# Altium PCB Inverter_2kW.PcbDoc (part 3 of 3)
Units mm, origin at the board's own origin, x right, y up, seen from the top; angles counter-clockwise.
Board outline 300 x 220 mm, 4 copper layers (Top Layer, Mid-Layer 1, Mid-Layer 2, Bottom Layer), stack 1.496 mm thick; 300 components, 167 nets, 848 pads, 363 vias.
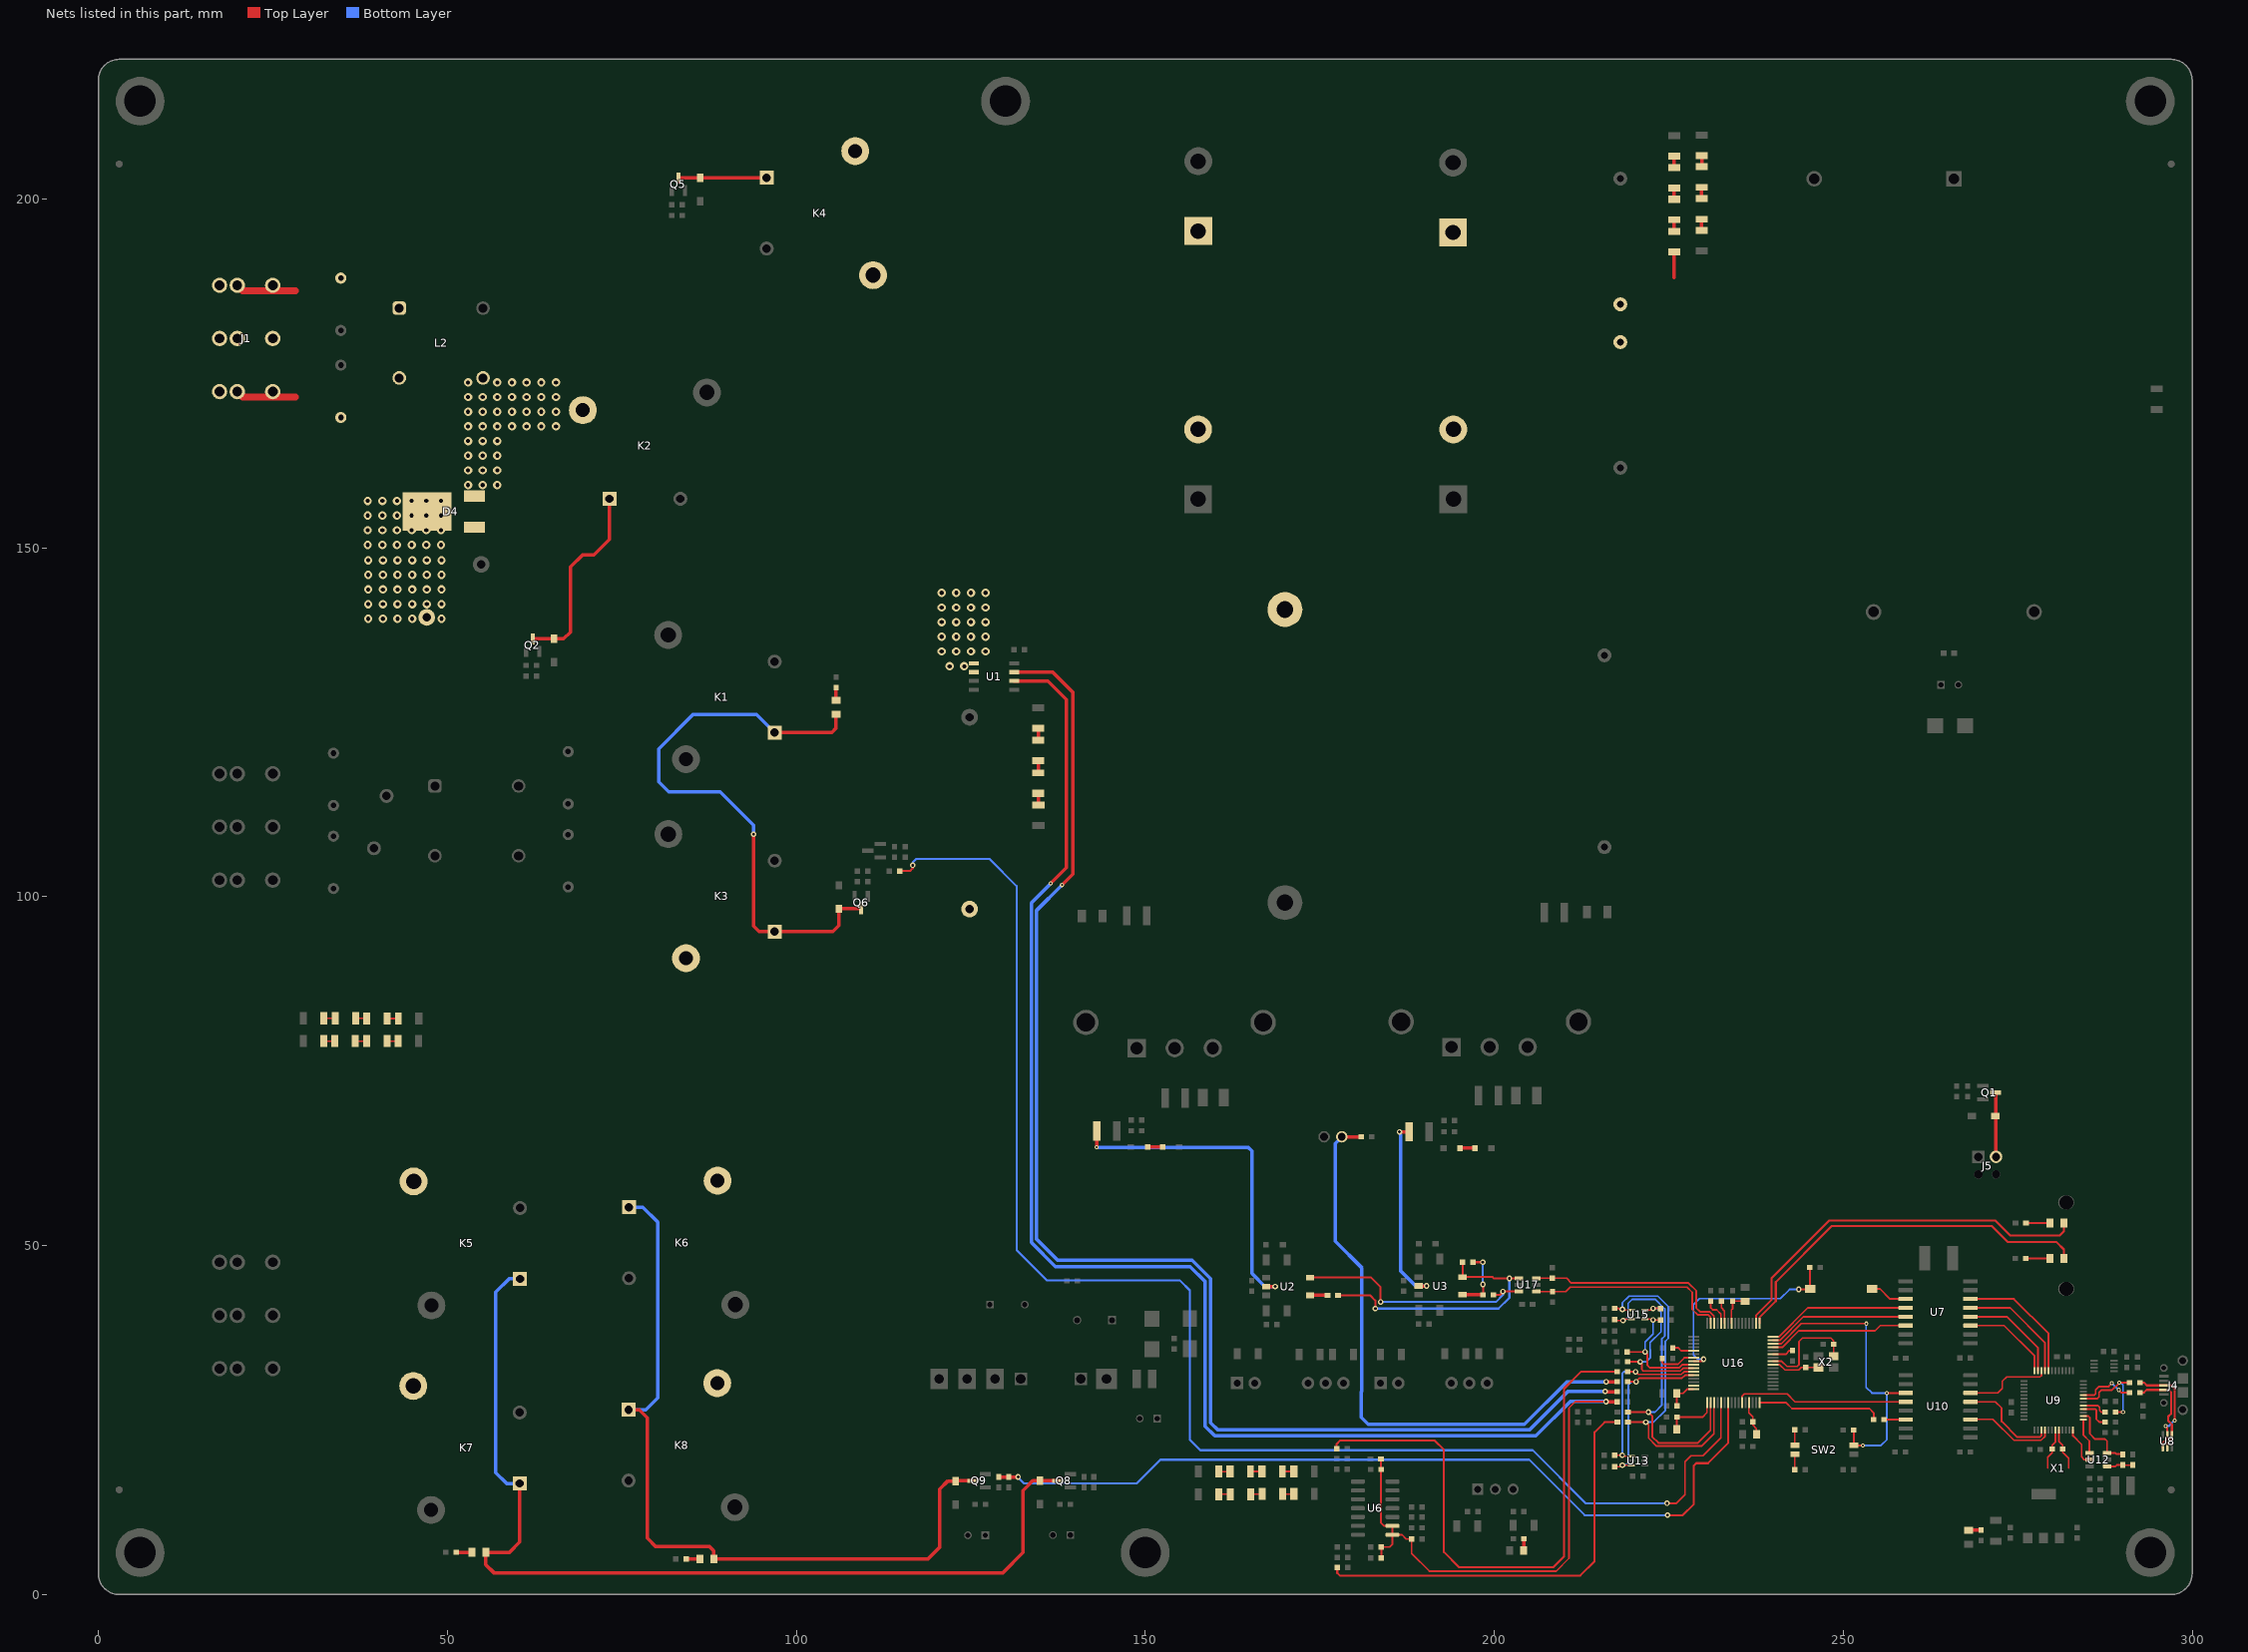
[diagram p5: the nets of this part, all layers, seen from the top]

## Via types
v1: diameter 1.2, hole 0.6, Top Layer to Bottom Layer, tented both sides, 165 vias
v2: diameter 0.8, hole 0.4, Top Layer to Bottom Layer, tented both sides, 141 vias
v3: diameter 0.6, hole 0.3, Top Layer to Bottom Layer, tented both sides, 57 vias

## Nets (pads, with @x,y where several pads share a name; then routed paths per layer and width w, separated by ;. In a path a pad name is that pad's centre, name@x,y a point inside that pad or via, vN(x,y) a via of type N, cw(c..) or ccw(c..) an arc to the next point about the centre after c; other vN are vias at no path point) (continued)
NetC76_2: C76.2 R87.2 U13.3 U16.12 | length 25.7
  Top Layer w0.254: C76.2@217.25,18.325 218.175,18.325 v2(218.375,18.525) U13.3@219.67,18.525 ; R87.2@219.125,30.5 v2(220.325,30.5) 220.85,31.025 226.925,31.025 227.325,31.425 U16.12@228.57,31.425
  Bottom Layer w0.254: v2(218.375,18.525) 218.8,18.525 219.225,18.95 219.225,30.025 219.7,30.5 v2(220.325,30.5)
NetC77_2: C77.2 R88.2 U13.1 U16.11 | length 26
  Top Layer w0.254: C77.2@217.25,19.95 v2(218.35,19.95) 218.475,19.825 U13.1@219.67,19.825 ; R88.2@219.1,31.925 v2(220.275,31.925) 220.65,31.55 226.808,31.55 227.183,31.925 U16.11@228.57,31.925
  Bottom Layer w0.254: v2(218.35,19.95) 218.35,31.7 218.575,31.925 v2(220.275,31.925)
NetC83_2: C83.2 U16.5 | length 3.2
  Top Layer w0.254: C83.2@225.6,35.275 225.7,35.375 226.35,35.375 226.8,34.925 U16.5@228.57,34.925
NetC84_2: C84.2 U16.43 | length 3
  Top Layer w0.254: U16.43@239.93,34.425 241.75,34.425 242.275,34.95 C84.2@242.75,34.95
NetC85_2: C85.2 U16.59 | length 3.4
  Top Layer w0.254: C85.2@232.55,42.05 232.55,41.1 233,40.65 U16.59@233,38.855
NetC86_2: C86.2 R89.2 U15.6 U16.10 | length 23.3
  Top Layer w0.254: R89.2@219.1,33.35 v2(220.925,33.35) 221.15,33.125 221.15,32.25 221.354,32.046 226.662,32.046 227.041,32.425 U16.10@228.57,32.425 ; U15.6@221.58,40.775 222.55,40.775 v2(222.775,41) 223.75,41 C86.2@223.825,40.925
  Bottom Layer w0.254: v2(220.925,33.35) 221.775,33.35 222.352,33.927 222.352,35.076 222.35,35.078 222.35,36.1 223.9,37.65 223.9,40.5 223.4,41 v2(222.775,41)
NetC87_2: C87.2 R91.2 U15.4 U16.9 | length 18.9
  Top Layer w0.254: R91.2@219.075,34.775 v2(221.625,34.775) 221.95,34.45 221.95,32.85 222.3,32.5 226.474,32.5 226.899,32.925 U16.9@228.57,32.925 ; U15.4@221.58,39.475 222.65,39.475 v2(222.775,39.35) 223.75,39.35 C87.2@223.825,39.275
  Bottom Layer w0.254: v2(221.625,34.775) 221.625,36.175 222.775,37.325 v2(222.775,39.35)
NetC88_2: C88.2 R92.2 U15.3 U16.18 | length 47.9
  Top Layer w0.254: C88.2@217.275,39.275 v2(218.45,39.275) 218.65,39.475 U15.3@219.67,39.475 ; R92.2@219.15,26.15 v2(222.1,26.15) 222.65,25.6 222.65,22.6 223.527,21.723 229.173,21.723 231,23.55 U16.18@231,27.495
  Bottom Layer w0.254: v2(218.45,39.275) 218.725,39.275 219.2,39.75 219.2,41.725 219.796,42.321 223.054,42.321 224.45,40.925 224.45,37.075 224,36.625 224,27.125 223.025,26.15 v2(222.1,26.15)
NetC89_2: C89.2 R93.2 U15.1 U16.19 | length 49.6
  Top Layer w0.254: C89.2@217.275,41.025 217.8,41.025 217.95,40.875 v2(218.375,40.875) 218.475,40.775 U15.1@219.67,40.775 ; R93.2@219.15,24.7 v2(221.725,24.7) 222.125,24.3 222.125,22.425 223.281,21.269 229.719,21.269 231.5,23.05 U16.19@231.5,27.495
  Bottom Layer w0.254: v2(218.375,40.875) 218.375,41.825 219.325,42.775 223.45,42.775 224.95,41.275 224.95,36.725 224.525,36.3 224.525,26.425 222.8,24.7 v2(221.725,24.7)
NetC96_2: C96.2 U16.40 X2.1 | length 7
  Top Layer w0.254: U16.40@239.93,32.925 240.925,32.925 241.675,32.175 243.625,32.175 244,32.55 C96.2@244.625,32.55 X2.1@246.45,32.55
NetC97_2: C97.2 U16.41 X2.3 | length 15
  Top Layer w0.254: U16.41@239.93,33.425 241.2,33.425 241.95,32.675 243.4,32.675 243.675,32.95 243.675,36.25 244.175,36.75 248.25,36.75 248.65,36.35 C97.2@248.65,35.875 X2.3@248.65,34.15
NetD1_A: D1.A J5.2 Q1.3 | length 9.2
  Top Layer w0.5: Q1.3@271.825,71.925 271.9,71.85 271.9,68.55 J5.2@271.9,62.725
NetD2_A: D2.A R2.1 | length 1.8
  Top Layer w0.5: D2.A@105.712,128.139 R2.1@105.712,129.989
NetD2_C: D2.C D10.A K1.1 K3.1 Q6.3 | length 84.6
  Top Layer w0.5: v2(93.9,108.95) 93.9,95.8 94.695,95.005 K3.1@96.915,95.005 105.255,95.005 106.1,95.85 D10.A@106.1,98.27 106.105,98.275 Q6.3@109.3,98.275 ; K1.1@96.9,123.535 105.085,123.535 105.712,124.162 D2.C@105.712,126.139
  Bottom Layer w0.5: v2(93.9,108.95) 93.9,110.225 89.075,115.05 81.725,115.05 80.3,116.475 80.3,121.2 85.2,126.1 94.335,126.1 K1.1@96.9,123.535
NetD3_A: D3.A K2.1 Q2.3 | length 28.2
  Top Layer w0.5: Q2.3@62.25,136.95 62.255,136.955 D3.A@65.275,136.955 66.68,136.955 67.65,137.925 67.65,147.25 69.4,149 71.025,149 73.24,151.215 K2.1@73.24,157.025
NetD4_1: D4.1 D4.4 RV2.1
  other v1: 38.675,139.825 40.775,139.825 42.875,139.825 44.975,139.825 49.175,139.825 38.675,141.925 40.775,141.925 42.875,141.925 44.975,141.925 47.075,141.925 49.175,141.925 38.675,144.025 40.775,144.025 42.875,144.025 44.975,144.025 47.075,144.025 49.175,144.025 38.675,146.125 40.775,146.125 42.875,146.125 44.975,146.125 47.075,146.125 49.175,146.125 38.675,148.225 40.775,148.225 42.875,148.225 44.975,148.225 47.075,148.225 49.175,148.225 38.6,150.425 40.7,150.425 42.8,150.425 44.9,150.425 47,150.425 49.1,150.425 38.6,152.525 40.7,152.525 42.8,152.525 44.9,152.525 47,152.525 49.1,152.525 38.6,154.625 40.7,154.625 42.8,154.625 44.9,154.625 47,154.625 49.1,154.625 38.6,156.725 40.7,156.725 42.8,156.725 44.9,156.725 47,156.725 49.1,156.725
NetD4_3: D4.3 K2.3 L2.3
  other v1: 52.975,159 55.075,159 57.175,159 52.975,161.1 55.075,161.1 57.175,161.1 52.975,163.2 55.075,163.2 57.175,163.2 52.975,165.3 55.075,165.3 57.175,165.3 52.975,167.4 55.075,167.4 57.175,167.4 59.275,167.4 61.375,167.4 63.475,167.4 65.575,167.4 52.975,169.5 55.075,169.5 57.175,169.5 59.275,169.5 61.375,169.5 63.475,169.5 65.575,169.5 52.975,171.6 55.075,171.6 57.175,171.6 59.275,171.6 61.375,171.6 63.475,171.6 65.575,171.6 52.975,173.7 57.175,173.7 59.275,173.7 61.375,173.7 63.475,173.7 65.575,173.7
NetD5_A: D5.A D6.A | length 2.3
  Top Layer w0.5: D5.A@150.273,64.116 D5.A@150.33,64.116 D6.A@152.48,64.116 D6.A@152.537,64.116
NetD7_A: D7.A D8.A | length 2.2
  Top Layer w0.5: D7.A@195.068,63.963 D7.A@195.125,63.963 D8.A@197.225,63.963 D8.A@197.282,63.963
NetD9_A: D9.A K4.1 Q5.3 | length 12.7
  Top Layer w0.5: Q5.3@83.125,203 86.25,203 95.76,203 K4.1@95.775,203
NetD11_A: D11.A D16.C K5.1 K7.1 Q8.3 | length 142.9
  Top Layer w0.5: K7.1@60.375,15.925 60.375,7.525 58.9,6.05 D16.C@55.525,6.05 55.525,4.275 56.675,3.125 129.6,3.125 132.475,6 132.475,14.9 133.88,16.305 D11.A@134.95,16.305 134.955,16.3 Q8.3@137.475,16.3
  Bottom Layer w0.5: K7.1@60.375,15.925 58.5,15.925 56.95,17.475 56.95,43.325 58.86,45.235 K5.1@60.425,45.235
NetD13_A: D13.A D17.C K6.1 K8.1 Q9.3 | length 113.6
  Top Layer w0.5: K8.1@75.975,26.49 77.535,26.49 78.675,25.35 78.675,8.075 79.9,6.85 87.6,6.85 88.175,6.275 D17.C@88.175,5.1 118.875,5.1 120.55,6.775 120.55,15.1 121.73,16.28 D13.A@122.85,16.28 122.87,16.3 Q9.3@125.3,16.3
  Bottom Layer w0.5: K8.1@75.975,26.49 78.465,26.49 80.15,28.175 80.15,53.375 78.03,55.495 K6.1@76.035,55.495
NetD16_A: D16.A R33.1 | length 2.2
  Top Layer w0.5: R33.1@51.3,6.05 D16.A@53.525,6.05
NetD17_A: D17.A R35.1 | length 1.9
  Top Layer w0.5: R35.1@84.25,5.1 D17.A@86.175,5.1
NetD20_A: D20.A R79.1 | length 1.8
  Top Layer w0.5: D20.A@267.975,9.225 R79.1@269.75,9.225
NetD21_A: D21.A R90.1 | length 1.7
  Top Layer w0.5: D21.A@204.225,6.3 R90.1@204.225,8.025
NetD22_A: D22.A R96.1 | length 3.4
  Top Layer w0.3: R96.1@276.2,53.25 276.225,53.225 D22.A@279.625,53.225
NetD22_C: D22.C U16.50 | length 55
  Top Layer w0.3: U16.50@237.5,38.855 237.5,40 239.75,42.25 239.75,45.375 247.975,53.6 271.775,53.6 273.925,51.45 281.025,51.45 281.625,52.05 D22.C@281.625,53.225
NetD23_A: D23.A R97.1 | length 3.5
  Top Layer w0.3: R97.1@276.175,48.15 D23.A@279.625,48.15
NetD23_C: D23.C U16.49 | length 54.2
  Top Layer w0.3: U16.49@238,38.855 238,39.7 240.35,42.05 240.35,44.775 248.375,52.8 271.325,52.8 273.625,50.5 280.575,50.5 281.625,49.45 D23.C@281.625,48.15
NetJ1_1: C21.2 J1.1 L2.1 | length 7.6
  Top Layer w1: J1.1@20.65,186.82 28.27,186.82
NetJ1_3: C22.2 J1.3 L2.2 | length 7.6
  Top Layer w1: J1.3@20.65,171.58 28.27,171.58
NetJ4_2: J4.2 R75.2 U8.2 U8.4 | length 13.4
  Top Layer w0.3: R75.2@292.525,28.875 292.6,28.95 293.1,28.95 293.475,29.325 J4.2@295.95,29.325 296.67,29.325 296.975,29.02 296.975,25.9 296.575,25.5 296.575,24.9 297.1,24.375 U8.4@297.1,22.95 297.1,22.325 296.45,21.675 U8.2@296.45,21.04
NetJ4_3: J4.3 R76.2 U8.1 U8.5 | length 15
  Top Layer w0.3: R76.2@292.5,30.3 292.575,30.375 293.1,30.375 293.5,29.975 J4.3@295.95,29.975 296.975,29.975 297.475,29.475 v3@297.475,24.975 ; U8.1@295.8,21.04 295.8,21.732 296.45,22.382 U8.5@296.45,22.95 296.45,23.9 v3(296.2,24.15)
  Bottom Layer w0.3: v3(296.2,24.15) 296.675,24.15 v3(297.475,24.95)
NetK5_4: K5.4 K6.3
NetK7_4: K7.4 K8.3
NetL3_2: L3.2 U1.1 U1.2
  other v1: 121.975,133.025 124.075,133.025 120.825,135.15 122.925,135.15 125.025,135.15 127.125,135.15 120.825,137.25 122.925,137.25 125.025,137.25 127.125,137.25 120.825,139.35 122.925,139.35 125.025,139.35 127.125,139.35 120.825,141.45 122.925,141.45 125.025,141.45 127.125,141.45 120.825,143.55 122.925,143.55 125.025,143.55 127.125,143.55
NetR3_1: R3.1 R5.2 | length 1.5
  Top Layer w0.5: R5.2@134.675,122.43 R3.1@134.675,123.975
NetR5_1: R5.1 R7.2 | length 1.5
  Top Layer w0.5: R7.2@134.675,117.755 R5.1@134.675,119.3
NetR7_1: R7.1 R8.2 | length 1.5
  Top Layer w0.5: R8.2@134.7,113.13 R7.1@134.7,114.675
NetR10_2: R10.2 U2.5 | length 47.8
  Top Layer w0.5: R10.2@143.038,66.45 143.05,66.438 v3(143.05,64.1) ; U2.5@167.325,44.15 v2(168.625,44.15)
  Bottom Layer w0.5: v3(143.05,64.1) 164.75,64.1 165.3,63.55 165.3,46.025 167.175,44.15 v2(168.625,44.15)
NetR17_2: R17.2 U3.5 | length 26.8
  Top Layer w0.5: v2(186.425,66.3) 187.67,66.3 187.72,66.35 R17.2@187.745,66.325 ; U3.5@189.175,44.225 v2(190.325,44.225)
  Bottom Layer w0.5: v2(186.425,66.3) v2@186.6,66.125 ; 186.6,65.85 186.6,46.375 188.75,44.225 v2(190.325,44.225)
NetR20_2: R20.2 R23.1 R87.1 | length 84.7
  Top Layer w0.5: R23.1@178.17,65.6 R20.2@180.975,65.6 ; v2(216.05,30.5) R87.1@217.625,30.5
  Bottom Layer w0.5: R23.1@178.17,65.6 177.225,64.655 177.225,50.625 181.05,46.8 181.05,29.202 180.925,29.077 180.925,25.4 181.95,24.375 204.325,24.375 210.45,30.5 v2(216.05,30.5)
NetR21_1: R21.1 U16.21 | length 211.9
  Top Layer w0.254: v2(224.775,13.075) 226.1,13.075 227.35,14.325 227.35,19.05 228.2,19.9 229.925,19.9 232.5,22.475 U16.21@232.5,27.495
  Top Layer w0.3: R21.1@114.825,103.675 116.3,103.675 116.7,104.075 v2(116.7,104.5)
  Bottom Layer w0.3: v2(116.7,104.5) 116.7,104.925 117.2,105.425 127.675,105.425 131.575,101.525 131.575,49.375 135.95,45 154.979,45 156.4,43.579 156.4,22.175 157.9,20.675 205.525,20.675 213.125,13.075 v2(224.775,13.075)
NetR26_1: R26.1 R37.1 U3.3 U17.4 | length 39.7
  Top Layer w0.3: R26.1@177.625,42.875 182.225,42.875 182.975,42.125 v2(182.975,40.975) ; R37.1@195.475,47.625 U3.3@195.475,45.495 199.755,45.495 199.925,45.325 U17.4@203.545,45.325
  Bottom Layer w0.3: v2(182.975,40.975) 200.625,40.975 202.175,42.525 v2(202.175,45.3)
NetR26_2: R26.2 U2.1 | length 2.5
  Top Layer w0.5: U2.1@173.625,42.88 176.12,42.88 R26.2@176.125,42.875
NetR32_1: R32.1 R34.2 U16.23 | length 122.9
  Top Layer w0.3: v2(224.85,11.375) 227.025,11.375 228.6,12.95 228.6,18.475 228.95,18.825 230.625,18.825 233.5,21.7 U16.23@233.5,27.495
  Top Layer w0.5: R32.1@129.025,16.85 R34.2@130.45,16.85 v2(131.8,16.85)
  Bottom Layer w0.3: v2(131.8,16.85) 131.8,16.75 132.625,15.925 ; 132.625,15.9 148.75,15.9 152.175,19.325 205.025,19.325 212.975,11.375 v2(224.85,11.375)
NetR36_1: R36.1 U2.3 U17.6 | length 35.1
  Top Layer w0.3: U2.3@173.625,45.42 182.355,45.42 183.725,44.05 v2(183.725,41.925) ; R36.1@199.9,42.95 200.825,42.95 201.3,43.425 U17.6@203.545,43.425
  Bottom Layer w0.3: v2(183.725,41.925) 200.225,41.925 201.25,42.95 v2(201.25,43.425)
NetR36_2: R36.2 R37.2 U3.1 | length 9
  Top Layer w0.3: R37.2@196.975,47.625 v2(198.375,47.625) ; R36.2@198.4,42.95 v2(198.4,44.45)
  Top Layer w0.5: U3.1@195.475,42.955 195.48,42.95 R36.2@198.4,42.95
  Bottom Layer w0.3: v2(198.375,47.625) 198.375,44.475 v2(198.4,44.45)
NetR41_1: R41.1 R42.2 | length 1.6
  Top Layer w0.5: R41.1@229.725,195.48 R42.2@229.725,197.095
NetR42_1: R42.1 R43.2 | length 1.7
  Top Layer w0.5: R42.1@229.725,200.03 229.725,201.645 R43.2@229.75,201.67
NetR43_1: R43.1 R44.2 | length 1.6
  Top Layer w0.5: R43.1@229.75,204.605 R44.2@229.75,206.22
NetR45_2: R45.2 R46.1 | length 1.7
  Top Layer w0.254: R45.2@160.555,14.35 160.58,14.375 R46.1@162.195,14.375
NetR46_2: R46.2 R47.1 | length 1.6
  Top Layer w0.254: R46.2@165.13,14.375 165.155,14.4 R47.1@166.745,14.4
NetR47_2: R47.2 R48.1 | length 1.6
  Top Layer w0.254: R47.2@169.68,14.4 R48.1@171.295,14.4
NetR49_2: R49.2 R50.1 | length 1.6
  Top Layer w0.254: R50.1@41.375,79.3 R49.2@42.97,79.3
NetR50_2: R50.2 R51.1 | length 1.6
  Top Layer w0.254: R51.1@36.83,79.3 R50.2@38.44,79.3
NetR51_2: R51.2 R52.1 | length 1.6
  Top Layer w0.254: R52.1@32.305,79.3 R51.2@33.895,79.3
NetR53_2: R53.2 R88.1 | length 82.8
  Top Layer w0.3: R53.2@177.425,20.9 177.425,21.575 177.95,22.1 191.425,22.1 192.8,20.725 192.8,6.075 194.95,3.925 208.475,3.925 210,5.45 210,29.5 212.425,31.925 R88.1@217.55,31.925
NetR54_2: R54.2 R93.1 | length 61
  Top Layer w0.3: R54.2@177.525,3.875 177.525,3.1 177.9,2.725 212.325,2.725 214.375,4.775 214.375,23.25 215.825,24.7 R93.1@217.65,24.7
  Top Layer w0.5: R93.1@217.625,24.725 R93.1@217.65,24.7
NetR56_2: R56.2 R57.1 | length 1.6
  Top Layer w0.254: R56.2@160.53,17.62 R57.1@162.145,17.62
NetR57_2: R57.2 R58.1 | length 1.7
  Top Layer w0.254: R57.2@165.08,17.62 165.105,17.645 R58.1@166.72,17.645
NetR58_2: R58.2 R59.1 | length 1.6
  Top Layer w0.254: R58.2@169.655,17.645 R59.1@171.295,17.645
NetR60_2: R60.2 R61.1 | length 1.6
  Top Layer w0.254: R61.1@41.4,82.55 R60.2@42.995,82.55
NetR61_2: R61.2 R62.1 | length 1.6
  Top Layer w0.254: R62.1@36.88,82.575 38.44,82.575 R61.2@38.465,82.55
NetR62_2: R62.2 R63.1 | length 1.6
  Top Layer w0.254: R63.1@32.33,82.575 R62.2@33.945,82.575
NetR66_1: R66.1 R67.2 | length 1.7
  Top Layer w0.5: R66.1@225.8,195.36 R67.2@225.8,197.02
NetR67_1: R67.1 R68.2 | length 1.6
  Top Layer w0.5: R67.1@225.8,199.955 R68.2@225.8,201.57
NetR68_1: R68.1 R69.2 | length 1.6
  Top Layer w0.5: R69.2@225.775,206.12 225.775,204.53 R68.1@225.8,204.505
NetR75_1: R75.1 U9.8 | length 8.2
  Top Layer w0.254: U9.8@284.425,28.575 285.975,28.575 286.175,28.775 286.175,29.3 286.675,29.8 288.05,29.8 288.475,30.225 v3(288.475,30.275) ; v3(289.475,29.325) 289.875,28.925 R75.1@291.025,28.925
  Bottom Layer w0.254: v3(288.475,30.275) 288.525,30.275 v3(289.475,29.325)
NetR76_1: R76.1 R77.1 U9.7 | length 13.5
  Top Layer w0.254: U9.7@284.425,28.075 286.4,28.075 286.675,28.35 286.675,28.975 287,29.3 288.525,29.3 v3(289.575,30.35) R76.1@291.025,30.35 ; R77.1@289.05,26.15 v3(290.102,26.15)
  Bottom Layer w0.254: v3(289.575,30.35) 289.8,30.35 290.102,30.048 v3(290.102,26.15)
NetR77_2: R77.2 U9.5 | length 3.8
  Top Layer w0.254: U9.5@284.425,27.075 286.5,27.075 286.725,26.85 286.725,26.375 286.95,26.15 R77.2@287.55,26.15
NetR78_1: R78.1 U10.14 | length 3.1
  Top Layer w0.254: R78.1@255.875,25.075 255.88,25.08 U10.14@258.97,25.08
NetR80_1: R80.1 U9.44 X1.3 | length 6
  Top Layer w0.254: U9.44@280.925,23.575 280.925,21.9 281.45,21.375 R80.1@281.45,20.85 281.45,20.375 282.3,19.525 X1.3@282.3,18.1
NetR80_2: R80.2 U9.43 X1.1 | length 5.9
  Top Layer w0.254: X1.1@279.3,18.1 279.3,19.65 279.95,20.3 R80.2@279.95,20.85 279.95,21.4 280.425,21.875 U9.43@280.425,23.575
NetR81_2: R81.2 U9.4 | length 4.7
  Top Layer w0.254: U9.4@284.425,26.575 286.125,26.575 286.271,26.429 286.271,25.129 286.675,24.725 R81.2@287.55,24.725
NetR82_1: R82.1 R84.2 U12.1 | length 3.8
  Top Layer w0.254: U12.1@287.83,18.375 289,18.375 289.2,18.575 R82.1@290.075,18.575 ; R82.1@290.075,18.55 R84.2@291.5,18.55
NetR82_2: R82.2 U9.2 U12.3 | length 10.3
  Top Layer w0.254: U9.2@284.425,25.575 285.125,25.575 285.35,25.35 285.35,23.025 286.1,22.275 287.525,22.275 287.8,22 287.8,20.41 U12.3@287.883,20.328 ; U12.3@287.83,20.275 289,20.275 289.15,20.125 290,20.125 R82.2@290.075,20.05
NetR86_1: R86.1 U1.7 | length 199
  Top Layer w0.5: U1.7@131.225,132.185 136.74,132.185 139.625,129.3 139.625,103.225 v3(138.075,101.675) ; v2(215.9,29.1) 215.925,29.075 R86.1@217.625,29.075 R86.1@217.6,29.1
  Bottom Layer w0.5: v3(138.075,101.675) 134.45,98.05 134.45,50.925 137.45,47.925 156.7,47.925 159.375,45.25 159.375,24.625 160.425,23.575 205.05,23.575 210.575,29.1 v2(215.9,29.1)
NetR94_2: R94.2 U16.7 | length 5.6
  Top Layer w0.254: R94.2@224.075,33.825 224.075,33.225 224.3,33 226.3,33 227.225,33.925 U16.7@228.57,33.925
NetR95_2: R95.2 U16.60 | length 4.1
  Top Layer w0.254: R95.2@231.025,42.05 231.025,41.1 231.325,40.8 231.875,40.8 232.5,40.175 U16.60@232.5,38.855
NetR100_1: R100.1 SW2.2 | length 2.2
  Top Layer w0.254: R100.1@243.075,17.875 243.08,17.88 SW2.2@243.08,20.115
NetR101_1: R101.1 SW2.4 | length 2.2
  Top Layer w0.254: R101.1@243.075,23.625 243.075,21.39 SW2.4@243.08,21.385
NetR102_2: R102.2 U16.62 U17.3 | length 31.7
  Top Layer w0.254: U17.3@206.055,45.325 R102.2@208.325,45.325 ; 206.825,45.325 R102.2@208.325,45.325 ; U16.62@231.5,38.855 231.5,39.892 230.863,40.529 229.496,40.529 228.95,41.075 228.95,43.525 227.825,44.65 211.05,44.65 210.375,45.325 R102.2@208.325,45.325
NetR103_2: R103.2 U16.63 U17.1 | length 29.3
  Top Layer w0.254: U17.1@206.055,43.425 R103.2@208.35,43.425 210.25,43.425 210.875,44.05 227.625,44.05 228.375,43.3 228.375,40.875 229.175,40.075 230.675,40.075 231,39.75 U16.63@231,38.855
NetSW1_1: SW1.1 U7.11 | length 5.4
  Top Layer w0.254: SW1.1@254.15,43.8 255.275,43.8 256.72,42.355 U7.11@258.96,42.355
NetU9_1: U9.1 U12.4 | length 5.5
  Top Layer w0.254: U9.1@284.425,25.075 284.425,22.85 285.275,22 285.275,20.425 U12.4@285.6,20.1
NetU9_48: U9.48 U12.5 | length 5.7
  Top Layer w0.254: U9.48@282.925,23.575 282.925,22.725 284.15,21.5 284.15,19.725 284.55,19.325 U12.5@285.32,19.325
PEN: J1.2 K4.3
RX_ISO: U9.39 U10.5 | length 14.3
  Top Layer w0.254: U10.5@268.25,27.62 271.805,27.62 272.7,26.725 272.7,24.8 274.946,22.554 278.145,22.554 278.425,22.834 U9.39@278.425,23.575
Rx_slave: R78.2 U16.32 | length 17.9
  Top Layer w0.254: U16.32@238,27.495 241.83,27.495 242.675,26.65 253.775,26.65 254.375,26.05 R78.2@254.375,25.075
TCK: U7.14 U16.45 | length 20.3
  Top Layer w0.254: U16.45@239.93,35.425 241.275,35.425 243.65,37.8 254.575,37.8 255.32,38.545 U7.14@258.96,38.545
TCK_ISO: U7.3 U9.24 | length 13.1
  Top Layer w0.254: U7.3@268.24,38.545 273.055,38.545 277.425,34.175 U9.24@277.425,32.075
TDI: U7.13 U16.47 | length 20.4
  Top Layer w0.254: U16.47@239.93,36.425 240.925,36.425 244.315,39.815 U7.13@258.96,39.815
TDI_ISO: U7.4 U9.23 | length 14.8
  Top Layer w0.254: U7.4@268.24,39.815 273.46,39.815 277.925,35.35 U9.23@277.925,32.075
TDO: R99.1 SW2.3 U10.11 U16.46 | length 43.7
  Top Layer w0.254: U16.46@239.93,35.925 241.1,35.925 244,38.825 v3(253.3,38.825) ; R99.1@251.525,23.575 251.525,21.39 SW2.3@251.52,21.385 251.53,21.375 v3(252.8,21.375) ; v3(256.25,28.875) 258.955,28.875 U10.11@258.97,28.89
  Bottom Layer w0.254: v3(252.8,21.375) 255.425,21.375 256.25,22.2 v3(256.25,28.875) 254.125,28.875 253.3,29.7 v3(253.3,38.825)
TDO_ISO: U9.22 U10.6 | length 12.5
  Top Layer w0.254: U10.6@268.25,28.89 272.14,28.89 272.8,29.55 272.8,30.575 273.425,31.2 278.2,31.2 278.425,31.425 U9.22@278.425,32.075
TMS: U7.12 U16.48 | length 20.8
  Top Layer w0.254: U16.48@239.93,36.925 240.775,36.925 244.935,41.085 U7.12@258.96,41.085
TMS_ISO: U7.5 U9.21 | length 16.8
  Top Layer w0.254: U7.5@268.24,41.085 273.915,41.085 278.925,36.075 U9.21@278.925,32.075
TRSTn: R74.2 SW1.2 U16.8 | length 31.2
  Top Layer w0.254: U16.8@228.57,33.425 229.7,33.425 v2(230,33.725) ; v2(243.625,43.725) 245.175,43.725 SW1.2@245.25,43.8 245.225,43.825 R74.2@245.225,46.875
  Bottom Layer w0.254: v2(230,33.725) 229.15,33.725 228.55,34.325 228.55,41.525 229.425,42.4 241,42.4 242.325,43.725 v2(243.625,43.725)
TRSTn_ISO: U7.6 U9.20 | length 18.6
  Top Layer w0.254: U7.6@268.24,42.355 274.47,42.355 279.425,37.4 U9.20@279.425,32.075
TX_ISO: U9.40 U10.3 | length 12.8
  Top Layer w0.254: U10.3@268.545,25.05 268.62,25.125 271.45,25.125 274.475,22.1 278.333,22.1 278.925,22.692 U9.40@278.925,23.575
Tx_slave: U10.12 U16.27 | length 25
  Top Layer w0.254: U16.27@235.5,27.495 235.5,28.425 235.825,28.75 241.975,28.75 243.105,27.62 U10.12@258.97,27.62
V_Mid: C4.1 C5.2 C6.2 C17.1 C18.1 K3.3 K4.4 R13.1 R18.2 R66.2 | length 3.7
  Top Layer w0.5: 225.8,188.75 R66.2@225.8,192.425
VDD_ADC: C91.2 FB3.1 U16.16 | length 4.4
  Top Layer w0.254: C91.2@226.175,27.05 FB3.1@226.175,28.825 227.025,28.825 227.625,29.425 U16.16@228.57,29.425
VDDIO_1: C93.2 FB1.1 U16.29 | length 5
  Top Layer w0.254: U16.29@236.5,27.495 236.5,26.025 237.05,25.475 C93.2@237.05,24.75 237.05,24.3 237.575,23.775 FB1.1@237.575,22.975
VDDIO_2: C92.2 FB2.1 U16.57 | length 4.8
  Top Layer w0.254: U16.57@234,38.855 234,40.8 234.15,40.95 C92.2@234.15,41.775 ; C92.2@234.15,42.05 FB2.1@235.95,42.05
VLA_REF_1: C47.2 C48.2 C54.2 R39.2 R40.2 R85.1 U1.6 U6.8 U6.9 | length 271.7
  Top Layer w0.254: R39.2@183.775,19.425 183.782,19.418 C47.2@183.782,17.914 183.782,10.268 184.215,9.835 U6.9@185.425,9.835 U6.8@185.425,8.565 ; R40.2@183.825,5.25 C48.2@183.825,6.826 185.001,6.826 185.425,7.25 U6.8@185.425,8.565 ; v2(216.025,27.65) 211.625,27.65 210.725,26.75 210.725,5.2 208.875,3.35 190.725,3.35 188.175,5.9 C54.2@188.175,7.95 187.4,7.95 186.785,8.565 U6.8@185.425,8.565
  Top Layer w0.5: U1.6@131.225,130.915 136.035,130.915 138.7,128.25 138.7,104.15 136.475,101.925 v3(136.475,101.9) ; v2(216.025,27.65) 216.05,27.625 R85.1@217.625,27.625 R85.1@217.6,27.6
  Bottom Layer w0.5: v3(136.475,101.9) 136.45,101.9 133.675,99.125 133.675,50.45 137.125,47 156.45,47 158.575,44.875 158.575,24.125 159.975,22.725 205.95,22.725 210.875,27.65 v2(216.025,27.65)
VREF_HI: U16.15
VSS_ADC: C95.2 FB4.1 U16.17 | length 7.7
  Top Layer w0.254: FB4.1@226.175,23.675 C95.2@226.175,25.425 229.825,25.425 230.48,26.08 230.48,27.475 U16.17@230.5,27.495
pads on no net: J4.4 J5.0 LED_PIPE1.0 M1.1 M2.1 M3.1 M4.1 M5.1 M6.1 M7.1 M8.1 MH4.0 MH5.0 MH6.0 U6.12 U6.13 U6.14 U7.7 U9.13 U9.15 U9.16 U9.17 U9.19 U9.27 U9.28 U9.29 U9.30 U9.32 U9.33 U9.35 U9.36 U9.37 U9.38 U9.41 U10.4 U10.13 U14.3 U16.1 U16.2 U16.3 U16.4 U16.24 U16.25 U16.26 U16.30 U16.31 U16.33 U16.34 U16.35 U16.36 U16.37 U16.38 U16.39 U16.44 U16.53 U16.54 U16.55 U16.56 U16.61 U16.64

## Polygon pours and split planes (outlines as drawn)
GND on Mid-Layer 2 "Top Layer-No Net" (solid, remove dead copper, pour order 0): 275.675,51.875 276.525,51.025 276.525,46.425 278.3,44.65 298.475,44.65 299.975,46.15 299.925,46.2 299.925,161.95 295.975,165.9 245.9,165.9 239.75,159.75 239.75,51.875 235.65,47.775 203.45,47.775 202.175,46.5 202.175,38.15 200.9,36.875 196.45,36.875 159.875,36.875 158.625,38.125 158.625,43.3 156.55,45.375 121.8,45.375 117.75,41.325 117.75,3.125 120.7,0.175 258.825,0.175 261.5,2.85 261.5,50.4 262.975,51.875
GND_USB on Mid-Layer 2 "Top Layer-No Net" (solid, remove dead copper, pour order 2): 273.8,46.975 274.375,46.4 274.375,44.025 277.3,41.1 298.375,41.1 299.725,39.75 299.725,3.575 296.4,0.25 269.3,0.25 266.1,3.45 266.1,46.171 266.904,46.975
3V3_ISO on Mid-Layer 1 "Top Layer-No Net" (solid, remove dead copper, pour order 4): 299.725,39.275 299.725,39.775 298.4,41.1 277.305,41.1 274.375,44.03 274.375,46.404 273.804,46.95 266.875,46.95 266.125,46.2 266.125,3.425 269.3,0.25 296.4,0.25 299.725,3.575
+3.3V on Mid-Layer 1 "Top Layer-No Net" (solid, remove dead copper, pour order 6): 275.675,51.875 276.525,51.025 276.525,46.425 278.3,44.65 298.45,44.65 299.946,46.146 299.925,53.95 299.925,162 296.025,165.9 245.9,165.9 239.75,159.75 239.75,51.875 235.65,47.775 203.45,47.775 202.175,46.5 202.175,38.15 200.9,36.875 196.45,36.875 159.875,36.875 158.625,38.125 158.625,43.3 156.55,45.375 121.8,45.375 117.75,41.325 117.75,3.125 120.7,0.175 258.825,0.175 261.5,2.85 261.5,50.45 262.925,51.875
-HV on Bottom Layer "Top Layer-No Net" (solid, remove dead copper, pour order 8): 51.6,180.425 55.6,176.425 127.7,176.425 130.2,173.925 130.2,58.95 135.925,53.275 227.975,53.275 236.3,61.6 236.3,166.65 241.775,172.125 296.1,172.125 299.65,175.675 299.65,214.45 294.25,219.85 55.25,219.85 51.6,216.2
Earth on Bottom Layer "Top Layer-No Net" (solid, remove dead copper, pour order 10): 69.5,99.2 67.725,97.425 34.175,97.425 31.025,94.275 31.025,2.715 28.38,-0.031 4.056,-0.031 0.994,3.031 0.994,213.916 6.394,219.316 40.834,219.316 46.75,213.4 46.75,162.85 43.775,159.875 34.625,159.875 29.819,155.069 29.819,129.168 33.644,125.343 68.107,125.343 69.5,123.95

## Keep-outs
Keep-Out Layer:
  the board outline again, w0.152

## Other copper
Top Layer:
  region net ACL_OUT: 48.7,125.675 50.1,124.275 50.1,114.25 48.925,113.075 37.65,113.075 35.35,115.375 16.425,115.375 15.3,116.5 15.3,124.225 16.75,125.675
  region net ACN_OUT: 35.45,105.9 38.025,108.475 48.425,108.475 49.825,107.075 49.825,99 48,97.175 16.95,97.175 15.275,98.85 15.275,105.825 16.625,107.175 31.8,107.175 33.075,105.9
  region net NetJ1_1: 45.025,182 46.625,183.6 46.625,194.275 45.073,195.85 17.7,195.85 15.5,193.65 15.5,185.9 17.225,184.175 32.2,184.175 33.15,185.125 36.65,185.125 39.776,182
  region net NetJ1_3: 16.725,174.3 15.675,173.25 15.675,165.103 16.836,163.925 45.25,163.925 46.45,165.125 46.45,174.5 45,175.95 40.725,175.95 37.75,172.975 32.3,172.975 30.975,174.3
  region net PEN: 26.75,182.625 27.625,181.75 27.625,176.725 26.888,176 11.433,176 5.5,181.825 5.5,202.625 17.975,215.1 119.475,215.1 122.75,211.825 122.75,205.325 121.625,204.2 103.875,204.2 100.35,207.725 22.575,207.725 13.975,199.125 13.975,184.05 15.4,182.625
  region net NetD4_3: 51.875,156.325 52.2,156 57.275,156 58.3,157.025 58.3,165.125 59.775,166.6 64.279,166.6 72.425,166.6 74.175,168.35 74.175,172.7 72.138,174.737 61.538,174.737 59.425,176.85 54.05,176.85 51.875,174.675
  region net -HV: 106.025,182.55 104.201,180.726 54,180.725 51.65,183.075 51.65,193.25 54.9,196.5 76.425,196.5 83.675,189.25 96.5,189.25 98.425,191.175 98.425,200.575 100.4,202.55 131.25,202.55 142.2,213.5 216.15,213.5 221.25,208.4 221.25,198.7 219.475,196.925 210.425,196.925 204.8,202.55 145.275,202.55 136.625,193.9 107.65,193.9 106.025,192.275
  region net NetD4_1: 51.25,155.425 51.75,154.925 55.425,154.925 56.125,154.225 56.125,152.1 55.55,151.525 51.127,151.525 49.975,150.452 49.975,139.2 48.75,137.975 39.225,137.975 37.925,139.275 37.925,157.625 38.5,158.2 50.6,158.2 51.25,157.55
  region net +HV: 65.475,157 65.475,146.45 64.1,145.075 52.85,145.075 52.225,145.7 52.225,149.225 52.95,149.95 57.65,149.95 59.725,152.025 59.725,163.45 61.275,165 73.95,165 76.35,167.4 76.35,173.35 79.275,176.275 91.974,176.275 94.9,173.35 129.4,173.35 143,159.75 207.65,159.75 213.2,165.3 218.7,165.3 221.25,162.75 221.25,120.65 212.825,112.225 162.85,112.225 156.2,105.575 156.2,77.05 154.975,75.825 152.8,75.825 151.7,76.925 151.7,117.25 157.025,122.575 204.55,122.575 208.55,126.575 208.55,143.4 204.625,147.325 96.85,147.325 95.025,149.15 95.025,156.925 92.201,159.749 68.224,159.749
  region net V_Mid: 132.025,61.5 127.65,65.875 127.65,99.5 125.975,101.175 115.45,101.175 114.1,99.825 114.1,92.3 112.775,90.975 93.625,90.975 89.5,95.1 81.375,95.1 79.175,92.9 79.175,86.5 80.375,85.3 111.05,85.3 116.9,79.45 116.9,59.574 122.874,53.6 228.3,53.6 236.2,61.5 236.2,184.15 230.875,189.475 213.2,189.475 204.35,198.325 145.6,198.325 139.3,192.025 109.65,192.025 108.3,190.675 108.3,178.375 109.875,176.8 131.62,176.8 144.67,163.75 204.25,163.75 211.5,171 219.1,171 224.35,165.75 224.349,67.149 218.7,61.5
  region net NetC16_2: 66.275,118.15 72.625,118.15 84.975,130.5 84.975,138.75 83.175,140.55 74.575,140.55 71.775,137.75 71.775,129.225 69.275,126.725 59.575,126.725 58.125,125.275 58.125,115.575 59.55,114.15 62.275,114.15
  region net NetC15_2: 70.762,103.637 78.5,111.375 86.05,111.375 87.875,109.55 87.875,98.95 86.175,97.25 59.65,97.25 58.65,98.25 58.65,106.625 59.837,107.812 64.138,107.812 68.313,103.637
  region net MIDV: 198.05,104.95 201.95,101.05 201.95,77.375 201.1,76.525 198.15,76.525 197.325,77.35 197.325,94.6 196.1,95.825 163.175,95.825 162.299,94.95 162.299,77.174 161.412,76.287 158.538,76.287 157.725,77.1 157.725,100.375 162.3,104.95
  region net ACN_IN: 30.05,33.3 30.05,21.6 32.075,19.575 48.575,19.575 50.825,17.325 50.825,10.9 48.325,8.4 22.625,8.4 15.075,15.95 15.075,33.475 16.325,34.725 28.625,34.725
  region net NetK5_4: 89.925,68 92.35,65.575 92.35,57.075 91.075,55.8 84.025,55.8 81.225,58.6 50.775,58.6 47.975,55.8 41.1,55.8 37.8,59.1 37.8,66.1 39.7,68
  region net NetK7_4: 91.287,36.501 93.262,34.525 93.263,27.375 90.638,24.75 84.938,24.75 80.563,29.125 53.263,29.125 48.888,24.75 42.013,24.75 38.713,28.05 38.713,35.05 40.163,36.5
  region net NetL3_2: 128.8,138.1 127.95,137.25 127.95,132.375 127.45,131.875 121.3,131.875 120.125,133.05 120.125,144.03 121.237,145.1 180.425,145.1 182.25,143.275 182.25,135.772 177.146,130.9 151.3,130.9 144.1,138.1
  region net NetC4_2: 120.3,130.225 120.3,122.3 119,121 93.3,121 90.7,123.6 83.925,123.6 81.6,121.275 81.6,115.925 83,114.525 124.9,114.525 128,117.625 128,130.7 127.45,131.25 121.325,131.25
  region net ACL_IN: 29.125,45.4 36.175,38.35 50.4,38.35 52.125,40.075 52.125,49.05 49.35,51.825 42.54,51.825 34.329,60.075 16.325,60.075 15.225,58.975 15.225,46.775 16.6,45.4
  region net NetC15_2: 104.7,72.725 99.325,78.1 74.375,78.1 71.225,81.25 71.225,104.325 78.35,111.45 86.025,111.45 87.975,109.5 87.975,98.925 86.325,97.275 79.65,97.275 77.8,95.425 77.8,85.2 79.025,83.975 109.875,83.975 114.753,79.097 114.753,15.078 109.5,9.825 88.35,9.825 86.4,11.775 86.4,17.75 89,20.35 102.275,20.35 104.7,22.775
  region net NetC16_2: 88.1,44.75 89.25,45.9 92.075,45.9 93.925,47.75 93.925,66.45 90.75,69.625 53.15,69.625 51.4,71.375 51.4,122.235 55.894,126.775 69.4,126.775 71.75,129.125 71.75,137.7 74.6,140.55 83.25,140.55 84.975,138.825 84.975,130.55 72.593,118.168 66.175,118.15 56.925,108.9 56.925,78.226 59.026,76.125 97.511,76.125 102.5,71.136 102.5,40.475 99.986,37.961 89.947,38.053 88.1,39.9
  region net -HV: 204.175,94.55 203.488,93.863 203.487,77.709 204.789,76.388 207.538,76.388 208.474,77.324 208.476,93.899 207.825,94.55
Mid-Layer 1:
  region net MIDV: 198.05,104.95 201.95,101.05 201.95,77.375 201.1,76.525 198.15,76.525 197.325,77.35 197.325,94.6 196.1,95.825 163.175,95.825 162.3,94.95 162.299,77.174 161.412,76.287 158.538,76.287 157.725,77.1 157.725,100.375 162.3,104.95
  region net +HV: 65.475,157 65.475,146.45 64.1,145.075 52.85,145.075 52.225,145.7 52.225,149.225 52.95,149.95 57.65,149.95 59.725,152.025 59.725,163.45 61.275,165 73.95,165 76.35,167.4 76.35,173.35 79.275,176.275 91.974,176.275 94.9,173.35 129.4,173.35 143,159.75 207.65,159.75 213.2,165.3 218.7,165.3 221.25,162.75 221.25,120.65 212.825,112.225 162.85,112.225 156.2,105.575 156.2,77.05 154.975,75.825 152.8,75.825 151.7,76.925 151.7,117.25 157.025,122.575 204.55,122.575 208.55,126.575 208.55,143.4 204.625,147.325 96.85,147.325 95.025,149.15 95.025,156.925 92.201,159.749 68.224,159.749
  region net V_Mid: 132.025,61.5 127.65,65.875 127.65,99.5 125.975,101.175 115.45,101.175 114.1,99.825 114.1,92.3 112.775,90.975 93.625,90.975 89.5,95.1 81.375,95.1 79.175,92.9 79.175,86.5 80.375,85.3 111.05,85.3 116.825,79.525 116.825,59.649 122.874,53.6 228.3,53.6 236.2,61.5 236.2,184.15 230.875,189.475 213.2,189.475 204.35,198.325 145.6,198.325 139.3,192.025 109.65,192.025 108.3,190.675 108.3,178.375 109.875,176.8 131.62,176.8 144.67,163.75 204.25,163.75 211.5,171 219.1,171 224.35,165.75 224.349,67.149 218.7,61.5
  region net -HV: 106.025,182.575 104.201,180.75 54,180.75 51.65,183.1 51.65,193.275 54.85,196.475 76.4,196.475 83.625,189.25 96.525,189.25 98.5,191.225 98.5,200.675 100.375,202.55 131.25,202.55 142.2,213.5 216.15,213.5 221.25,208.4 221.25,198.7 219.475,196.925 210.425,196.925 204.8,202.55 145.2,202.55 136.55,193.9 107.625,193.9 106.025,192.3
  region net NetL3_2: 128.8,138.1 127.95,137.25 127.95,132.375 127.45,131.875 121.3,131.875 120.125,133.05 120.125,144.03 121.237,145.1 180.425,145.1 182.25,143.275 182.25,135.772 177.146,130.9 151.3,130.9 144.1,138.1
  region net NetC4_2: 120.3,130.225 120.3,122.3 119,121 93.3,121 90.7,123.6 83.925,123.6 81.6,121.275 81.6,115.925 83,114.525 124.9,114.525 128,117.625 128,130.7 127.45,131.25 121.325,131.25
  region net NetC15_2: 70.762,103.637 78.5,111.375 86.05,111.375 87.875,109.55 87.875,98.95 86.175,97.25 59.65,97.25 58.675,98.225 58.675,106.65 59.837,107.812 64.138,107.812 68.313,103.637
  region net NetC16_2: 66.275,118.15 72.625,118.15 84.975,130.5 84.975,138.75 83.175,140.55 74.575,140.55 71.775,137.75 71.775,129.225 69.275,126.725 59.575,126.725 58.125,125.275 58.125,115.575 59.55,114.15 62.275,114.15
  region net NetC15_2: 104.675,72.625 99.2,78.1 74.4,78.1 71.2,81.3 71.2,104.225 78.325,111.35 86,111.35 87.95,109.4 87.95,98.825 86.3,97.175 79.625,97.175 77.775,95.325 77.775,85.1 79,83.875 109.85,83.875 114.728,78.997 114.728,14.978 109.475,9.725 88.325,9.725 86.375,11.675 86.375,17.65 88.975,20.25 102.25,20.25 104.675,22.675
  region net NetC16_2: 88.1,44.75 89.25,45.9 92.075,45.9 93.925,47.75 93.925,66.45 90.75,69.625 53.15,69.625 51.4,71.375 51.4,122.235 55.894,126.775 69.4,126.775 71.75,129.125 71.75,137.7 74.6,140.55 83.25,140.55 84.975,138.825 84.975,130.55 72.593,118.168 66.175,118.15 56.925,108.9 56.925,78.226 59.026,76.125 97.511,76.125 102.5,71.136 102.5,40.475 99.986,37.961 89.947,38.053 88.1,39.9
  region net NetK5_4: 89.925,68 92.35,65.575 92.35,57.075 91.075,55.8 84.025,55.8 81.225,58.6 50.775,58.6 47.975,55.8 41.1,55.8 37.8,59.1 37.8,66.1 39.7,68
  region net NetK7_4: 91.287,36.501 93.262,34.525 93.263,27.375 90.638,24.75 84.938,24.75 80.613,29.075 53.213,29.075 48.888,24.75 42.013,24.75 38.713,28.05 38.713,35.05 40.163,36.5
  region net ACN_IN: 30.05,33.275 30.05,21.6 32.075,19.575 48.575,19.575 50.825,17.325 50.825,10.9 48.325,8.4 22.625,8.4 15.075,15.95 15.075,33.525 16.325,34.775 28.55,34.775
  region net ACL_IN: 29.125,45.4 36.175,38.35 50.4,38.35 52.125,40.075 52.125,49.05 49.35,51.825 42.54,51.825 34.329,60.075 16.325,60.075 15.25,59 15.25,46.7 16.55,45.4
  region net PEN: 26.75,182.625 27.625,181.75 27.625,176.699 26.94,176.025 11.407,176.025 5.475,181.85 5.475,202.6 17.975,215.1 119.475,215.1 122.75,211.825 122.75,205.325 121.625,204.2 103.925,204.2 100.4,207.725 22.575,207.725 13.975,199.125 13.975,184.075 15.425,182.625
  region net NetJ1_1: 45.025,182 46.625,183.6 46.625,194.275 45.073,195.85 17.65,195.85 15.5,193.7 15.5,185.875 17.2,184.175 32.2,184.175 33.15,185.125 36.65,185.125 39.776,182
  region net NetJ1_3: 20.1,173.75 18.7,172.35 18.7,165.551 20.302,163.925 45.25,163.925 46.45,165.125 46.45,174.5 45,175.95 40.725,175.95 37.75,172.975 32.3,172.975 31.525,173.75
  region net NetD4_3: 51.875,156.325 52.2,156 57.275,156 58.3,157.025 58.3,165.125 59.775,166.6 64.279,166.6 72.425,166.6 74.175,168.35 74.175,172.7 72.138,174.737 61.538,174.737 59.425,176.85 54.05,176.85 51.875,174.675
  region net NetD4_1: 51.25,155.425 51.75,154.925 55.425,154.925 56.125,154.225 56.125,152.1 55.55,151.525 51.127,151.525 49.975,150.452 49.975,139.2 48.75,137.975 39.225,137.975 37.925,139.275 37.925,157.625 38.5,158.2 50.6,158.2 51.25,157.55
  region net ACL_OUT: 48.7,125.675 50.1,124.275 50.1,114.25 48.925,113.075 37.65,113.075 35.35,115.375 16.425,115.375 15.3,116.5 15.3,124.225 16.75,125.675
  region net ACN_OUT: 35.45,105.9 38.025,108.475 48.425,108.475 49.825,107.075 49.825,99 48,97.175 16.95,97.175 15.275,98.85 15.275,105.825 16.625,107.175 31.8,107.175 33.075,105.9
  region net -HV: 204.175,94.55 203.488,93.863 203.487,77.709 204.789,76.388 207.538,76.388 208.474,77.324 208.476,93.899 207.825,94.55
Mid-Layer 2:
  region net MIDV: 198.05,104.95 201.95,101.05 201.95,77.375 201.1,76.525 198.15,76.525 197.325,77.35 197.325,94.6 196.1,95.825 163.175,95.825 162.3,94.95 162.299,77.174 161.412,76.287 158.538,76.287 157.725,77.1 157.725,100.375 162.3,104.95
  region net +HV: 65.475,157 65.475,146.45 64.1,145.075 52.85,145.075 52.225,145.7 52.225,149.225 52.95,149.95 57.65,149.95 59.725,152.025 59.725,163.45 61.275,165 73.95,165 76.35,167.4 76.35,173.35 79.275,176.275 91.974,176.275 94.9,173.35 129.4,173.35 143,159.75 207.65,159.75 213.2,165.3 218.7,165.3 221.25,162.75 221.25,120.65 212.825,112.225 162.85,112.225 156.2,105.575 156.2,77.05 154.975,75.825 152.8,75.825 151.7,76.925 151.7,117.25 157.025,122.575 204.55,122.575 208.55,126.575 208.55,143.4 204.625,147.325 96.85,147.325 95.025,149.15 95.025,156.925 92.201,159.749 68.224,159.749
  region net V_Mid: 132.025,61.5 127.65,65.875 127.65,99.5 125.975,101.175 115.45,101.175 114.1,99.825 114.1,92.3 112.775,90.975 93.625,90.975 89.5,95.1 81.375,95.1 79.175,92.9 79.175,86.5 80.375,85.3 111.05,85.3 116.825,79.525 116.825,59.649 122.874,53.6 228.3,53.6 236.2,61.5 236.2,184.15 230.875,189.475 213.2,189.475 204.35,198.325 145.6,198.325 139.3,192.025 109.65,192.025 108.3,190.675 108.3,178.375 109.875,176.8 131.62,176.8 144.67,163.75 204.25,163.75 211.5,171 219.1,171 224.35,165.75 224.349,67.149 218.7,61.5
  region net -HV: 106.025,182.6 104.175,180.75 54,180.75 51.65,183.1 51.65,193.25 54.9,196.5 76.35,196.5 83.6,189.25 96.525,189.25 98.475,191.2 98.475,200.675 100.35,202.55 131.275,202.55 142.225,213.5 216.15,213.5 221.25,208.4 221.25,198.7 219.475,196.925 210.425,196.925 204.8,202.55 145.2,202.55 136.55,193.9 107.65,193.9 106.025,192.275
  region net NetL3_2: 128.8,138.1 127.95,137.25 127.95,132.375 127.45,131.875 121.3,131.875 120.125,133.05 120.125,144.03 121.237,145.1 180.425,145.1 182.25,143.275 182.25,135.772 177.146,130.9 151.3,130.9 144.1,138.1
  region net NetC4_2: 120.3,130.225 120.3,122.3 119,121 93.3,121 90.7,123.6 83.925,123.6 81.6,121.275 81.6,115.925 83,114.525 124.9,114.525 128,117.625 128,130.7 127.45,131.25 121.325,131.25
  region net NetC15_2: 70.762,103.637 78.5,111.375 86.05,111.375 87.875,109.55 87.875,98.95 86.175,97.25 59.65,97.25 58.65,98.25 58.65,106.625 59.837,107.812 64.138,107.812 68.313,103.637
  region net NetC16_2: 66.275,118.15 72.625,118.15 84.975,130.5 84.975,138.75 83.175,140.55 74.575,140.55 71.775,137.75 71.775,129.225 69.275,126.725 59.575,126.725 58.125,125.275 58.125,115.575 59.55,114.15 62.275,114.15
  region net NetC15_2: 104.7,72.725 99.325,78.1 74.375,78.1 71.225,81.25 71.225,104.325 78.35,111.45 86.025,111.45 87.975,109.5 87.975,98.925 86.325,97.275 79.65,97.275 77.8,95.425 77.8,85.2 79.025,83.975 109.875,83.975 114.753,79.097 114.753,15.078 109.5,9.825 88.35,9.825 86.4,11.775 86.4,17.75 89,20.35 102.275,20.35 104.7,22.775
  region net NetC16_2: 88.1,44.75 89.25,45.9 92.075,45.9 93.925,47.75 93.925,66.45 90.75,69.625 53.15,69.625 51.4,71.375 51.4,122.235 55.894,126.775 69.4,126.775 71.75,129.125 71.75,137.7 74.6,140.55 83.25,140.55 84.975,138.825 84.975,130.55 72.593,118.168 66.175,118.15 56.925,108.9 56.925,78.226 59.026,76.125 97.511,76.125 102.5,71.136 102.5,40.475 99.986,37.961 89.947,38.053 88.1,39.9
  region net NetK5_4: 89.925,68 92.35,65.575 92.35,57.075 91.075,55.8 84.025,55.8 81.225,58.6 50.775,58.6 47.975,55.8 41.1,55.8 37.8,59.1 37.8,66.1 39.7,68
  region net NetK7_4: 91.287,36.501 93.262,34.525 93.263,27.375 90.638,24.75 84.938,24.75 80.663,29.025 53.163,29.025 48.888,24.75 42.013,24.75 38.713,28.05 38.713,35.05 40.163,36.5
  region net ACN_IN: 30.05,33.3 30.05,21.6 32.075,19.575 48.575,19.575 50.825,17.325 50.825,10.9 48.325,8.4 22.625,8.4 15.1,15.925 15.1,33.525 16.325,34.75 28.6,34.75
  region net ACL_IN: 29.15,45.425 36.225,38.35 50.4,38.35 52.125,40.075 52.125,49.05 49.35,51.825 42.54,51.825 34.329,60.075 16.325,60.075 15.225,58.975 15.225,46.725 16.525,45.425
  region net PEN: 26.75,182.625 27.625,181.75 27.625,176.699 26.926,176 11.433,176 5.475,181.85 5.475,202.6 17.975,215.1 119.475,215.1 122.75,211.825 122.75,205.325 121.625,204.2 103.825,204.2 100.3,207.725 22.5,207.725 13.975,199.2 13.975,184.05 15.4,182.625
  region net NetJ1_1: 45.025,182 46.625,183.6 46.625,194.275 45.073,195.85 17.7,195.85 15.5,193.65 15.5,185.9 17.225,184.175 32.2,184.175 33.15,185.125 36.65,185.125 39.776,182
  region net NetJ1_3: 16.7,174.275 15.675,173.25 15.675,165.112 16.845,163.925 45.25,163.925 46.45,165.125 46.45,174.5 45,175.95 40.725,175.95 37.75,172.975 32.3,172.975 31,174.275
  region net NetD4_3: 51.875,156.325 52.2,156 57.275,156 58.3,157.025 58.3,165.125 59.775,166.6 64.279,166.6 72.425,166.6 74.175,168.35 74.175,172.7 72.138,174.737 61.538,174.737 59.425,176.85 54.05,176.85 51.875,174.675
  region net NetD4_1: 51.25,155.425 51.75,154.925 55.425,154.925 56.125,154.225 56.125,152.1 55.55,151.525 51.127,151.525 49.975,150.452 49.975,139.2 48.75,137.975 39.225,137.975 37.925,139.275 37.925,157.625 38.5,158.2 50.6,158.2 51.25,157.55
  region net ACL_OUT: 48.7,125.675 50.1,124.275 50.1,114.25 48.925,113.075 37.65,113.075 35.35,115.375 16.4,115.375 15.3,116.475 15.3,124.2 16.775,125.675
  region net ACN_OUT: 35.45,105.9 38.025,108.475 48.425,108.475 49.825,107.075 49.825,99 48,97.175 16.95,97.175 15.275,98.85 15.275,105.825 16.625,107.175 31.8,107.175 33.075,105.9
  region net -HV: 204.175,94.55 203.488,93.863 203.487,77.709 204.789,76.388 207.538,76.388 208.474,77.324 208.476,93.899 207.825,94.55

## Silkscreen, mask and mechanical layers (free items; w line width, h text height)
Top Overlay:
  text "DC_IN" at 12.075,200.5 h5
  text "AC_OUT" at 7.8,130.775 h5
  text "Backup inverter 2 kW / Rev P02 / © Ferroamp AB 2023" at 238.15,90.075 h5
  text "FAN" at 274.125,60.9 h5
  text "AC_IN" at 12.375,60.85 h5

## Dimensions
17.38,40 to 0.254,0.125 on Mechanical 5
17.38,110 to 3,0 on Mechanical 5
17.38,180 to 3,0 on Mechanical 5
297,0 to 299.425,100 on Mechanical 5
297,0 to 302,49.875 on Mechanical 5
297,0 to 295.95,29.975 on Mechanical 5
3,220 to 3,0 on Mechanical 5
300,220 to 0,217 on Mechanical 5

## Text inside footprints (layer, text, board x,y; h text height)
D4: Top Assembly "4" at 47.105,154.869 h0.61 r90
FAN1: Top Overlay "FAN" at 294.575,93.6 h5 r90